# Altium PCB RPlan_LB2.PcbDoc (part 3 of 4) (continued)
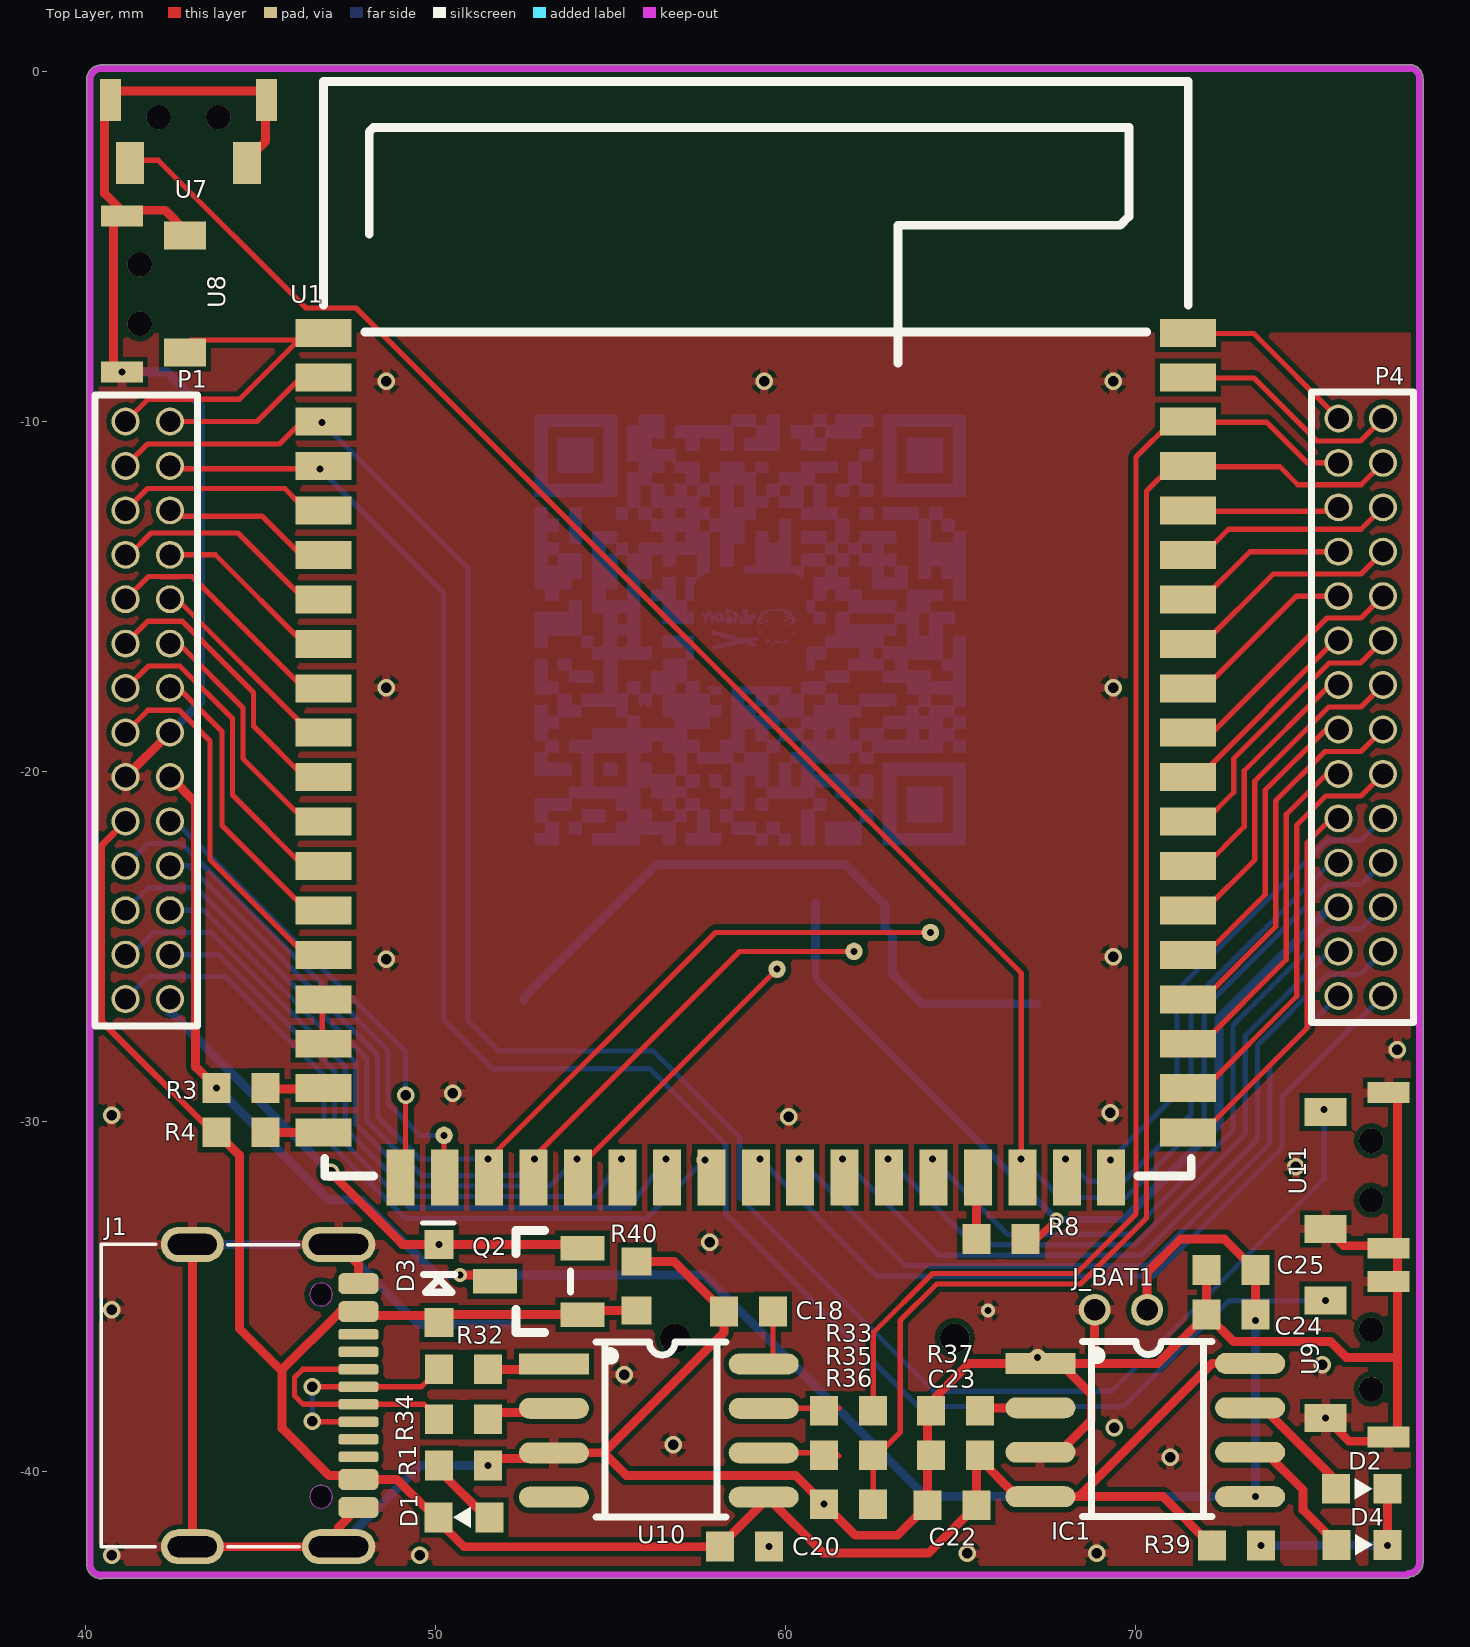
[diagram p0: Top Layer view]
## Nets (pads, with @x,y where several pads share a name; then routed paths per layer and width w, separated by ;. In a path a pad name is that pad's centre, name@x,y a point inside that pad or via, vN(x,y) a via of type N, cw(c..) or ccw(c..) an arc to the next point about the centre after c; other vN are vias at no path point) (continued)
58.681,-16.172 ; 58.3,-15.461 58.376,-15.461 ; 58.3,-15.436 58.376,-15.436 ; 58.3,-15.41 58.478,-15.41 ; 58.3,-15.385 58.478,-15.385 ; 58.3,-15.359 58.478,-15.359 ; 58.326,-15.766 58.453,-15.766 ; 58.326,-15.74 58.453,-15.74 ; 58.326,-15.715 58.453,-15.715 ; 58.326,-15.613 58.453,-15.613 ; 58.326,-15.588 58.453,-15.588 ; 58.326,-15.563 58.453,-15.563 ; 58.326,-15.537 58.402,-15.537 ; 58.326,-15.512 58.402,-15.512 ; 58.326,-15.486 58.402,-15.486 ; 58.376,-15.791 58.453,-15.791 ; 58.402,-16.299 59.088,-16.299 ; 58.402,-16.274 59.088,-16.274 ; 58.402,-16.223 59.215,-16.223 ; 58.402,-16.198 59.215,-16.198 ; 58.478,-21.786 60.154,-21.786 ; 58.478,-21.76 60.154,-21.76 ; 58.478,-21.735 59.164,-21.735 ; 58.478,-21.709 59.164,-21.709 ; 58.478,-21.684 59.164,-21.684 ; 58.478,-21.659 59.164,-21.659 ; 58.478,-21.633 59.164,-21.633 ; 58.478,-21.608 59.164,-21.608 ; 58.478,-21.582 59.164,-21.582 ; 58.478,-21.557 59.164,-21.557 ; 58.478,-21.532 59.164,-21.532 ; 58.478,-21.506 59.164,-21.506 ; 58.478,-21.481 59.164,-21.481 ; 58.478,-21.455 59.164,-21.455 ; 58.478,-21.049 58.834,-21.049 ; 58.478,-21.024 58.834,-21.024 ; 58.478,-20.998 58.834,-20.998 ; 58.478,-20.973 58.834,-20.973 ; 58.478,-20.947 58.834,-20.947 ; 58.478,-20.922 58.834,-20.922 ; 58.478,-20.897 58.834,-20.897 ; 58.478,-20.871 58.834,-20.871 ; 58.478,-20.846 58.834,-20.846 ; 58.478,-20.82 58.834,-20.82 ; 58.478,-20.795 58.834,-20.795 ; 58.478,-20.77 58.834,-20.77 ; 58.478,-20.414 58.834,-20.414 ; 58.478,-20.389 58.834,-20.389 ; 58.478,-20.363 58.834,-20.363 ; 58.478,-20.338 58.834,-20.338 ; 58.478,-20.312 58.834,-20.312 ; 58.478,-20.287 58.834,-20.287 ; 58.478,-20.262 58.834,-20.262 ; 58.478,-20.236 58.834,-20.236 ; 58.478,-20.211 58.834,-20.211 ; 58.478,-20.185 58.834,-20.185 ; 58.478,-20.16 58.834,-20.16 ; 58.478,-20.135 58.834,-20.135 ; 58.478,-20.109 59.519,-20.109 ; 58.478,-20.084 59.519,-20.084 ; 58.478,-20.058 59.519,-20.058 ; 58.478,-20.033 59.519,-20.033 ; 58.478,-20.008 59.519,-20.008 ; 58.478,-19.982 59.519,-19.982 ; 58.478,-19.957 59.519,-19.957 ; 58.478,-19.931 59.519,-19.931 ; 58.478,-19.906 59.519,-19.906 ; 58.478,-19.881 59.519,-19.881 ; 58.478,-19.855 59.519,-19.855 ; 58.478,-19.83 59.519,-19.83 ; 58.478,-19.804 59.519,-19.804 ; 58.478,-19.779 59.519,-19.779 ; 58.478,-19.068 58.834,-19.068 ; 58.478,-19.042 58.834,-19.042 ; 58.478,-19.017 58.834,-19.017 ; 58.478,-18.992 58.834,-18.992 ; 58.478,-18.966 58.834,-18.966 ; 58.478,-18.941 58.834,-18.941 ; 58.478,-18.915 58.834,-18.915 ; 58.478,-18.89 58.834,-18.89 ; 58.478,-18.865 58.834,-18.865 ; 58.478,-18.839 58.834,-18.839 ; 58.478,-18.814 58.834,-18.814 ; 58.478,-18.788 58.834,-18.788 ; 58.478,-18.763 61.831,-18.763 ; 58.478,-18.738 59.85,-18.738 ; 58.478,-18.712 59.85,-18.712 ; 58.478,-18.687 59.85,-18.687 ; 58.478,-18.661 59.85,-18.661 ; 58.478,-18.636 59.85,-18.636 ; 58.478,-18.611 59.85,-18.611 ; 58.478,-18.585 59.85,-18.585 ; 58.478,-18.56 59.85,-18.56 ; 58.478,-18.534 59.85,-18.534 ; 58.478,-18.509 59.85,-18.509 ; 58.478,-18.484 59.85,-18.484 ; 58.478,-18.458 59.85,-18.458 ; 58.478,-18.433 62.186,-18.433 ; 58.478,-18.407 62.186,-18.407 ; 58.478,-18.382 59.164,-18.382 ; 58.478,-18.357 59.164,-18.357 ; 58.478,-18.331 59.164,-18.331 ; 58.478,-18.306 59.164,-18.306 ; 58.478,-18.28 59.164,-18.28 ; 58.478,-18.255 59.164,-18.255 ; 58.478,-18.23 59.164,-18.23 ; 58.478,-18.204 59.164,-18.204 ; 58.478,-18.179 59.164,-18.179 ; 58.478,-18.153 59.164,-18.153 ; 58.478,-18.128 60.51,-18.128 ; 58.478,-18.103 60.51,-18.103 ; 58.478,-18.077 58.834,-18.077 ; 58.478,-18.052 58.834,-18.052 ; 58.478,-18.026 58.834,-18.026 ; 58.478,-18.001 58.834,-18.001 ; 58.478,-17.976 58.834,-17.976 ; 58.478,-17.95 58.834,-17.95 ; 58.478,-17.925 58.834,-17.925 ; 58.478,-17.899 58.834,-17.899 ; 58.478,-17.874 58.834,-17.874 ; 58.478,-17.849 58.834,-17.849 ; 58.478,-17.823 58.834,-17.823 ; 58.478,-17.798 58.834,-17.798 ; 58.478,-17.772 61.501,-17.772 ; 58.478,-17.747 60.154,-17.747 ; 58.478,-17.722 60.154,-17.722 ; 58.478,-17.696 60.154,-17.696 ; 58.478,-17.671 60.154,-17.671 ; 58.478,-17.645 60.154,-17.645 ; 58.478,-17.62 60.205,-17.62 ; 58.478,-17.595 60.154,-17.595 ; 58.478,-17.569 60.154,-17.569 ; 58.478,-15.461 58.605,-15.461 ; 58.478,-15.436 58.605,-15.436 ; 58.478,-10.076 59.164,-10.076 ; 58.478,-10.051 59.164,-10.051 ; 58.478,-10.025 59.164,-10.025 ; 58.478,-10 59.164,-10 ; 58.478,-9.975 59.164,-9.975 ; 58.478,-9.949 59.164,-9.949 ; 58.478,-9.924 59.164,-9.924 ; 58.478,-9.898 59.164,-9.898 ; 58.478,-9.873 59.164,-9.873 ; 58.478,-9.848 59.164,-9.848 ; 58.478,-9.822 59.164,-9.822 ; 58.478,-9.797 59.164,-9.797 ; 58.529,-16.248 59.164,-16.248 ; 58.529,-15.766 58.605,-15.766 ; 58.529,-15.74 58.605,-15.74 ; 58.529,-15.715 58.605,-15.715 ; 58.529,-15.537 58.681,-15.537 ; 58.529,-15.512 58.681,-15.512 ; 58.529,-15.486 58.63,-15.486 ; 58.554,-15.613 58.63,-15.613 ; 58.554,-15.588 58.63,-15.588 ; 58.554,-15.563 58.681,-15.563 ; 58.707,-15.766 59.062,-15.766 ; 58.707,-15.74 59.062,-15.74 ; 58.707,-15.715 59.062,-15.715 ; 58.707,-15.69 58.935,-15.69 ; 58.707,-15.664 58.935,-15.664 ; 58.707,-15.639 58.834,-15.639 ; 58.707,-15.613 58.783,-15.613 ; 58.707,-15.588 58.783,-15.588 ; 58.707,-15.563 59.138,-15.563 ; 58.757,-15.41 58.935,-15.41 ; 58.783,-15.537 59.138,-15.537 ; 58.783,-15.512 59.138,-15.512 ; 58.783,-15.461 58.935,-15.461 ; 58.783,-15.436 58.935,-15.436 ; 58.783,-15.385 58.935,-15.385 ; 58.783,-15.359 58.935,-15.359 ; 58.834,-19.728 59.519,-19.728 ; 58.834,-19.703 59.519,-19.703 ; 58.834,-19.677 59.519,-19.677 ; 58.834,-19.652 59.519,-19.652 ; 58.834,-19.627 59.519,-19.627 ; 58.834,-19.601 59.519,-19.601 ; 58.834,-19.576 59.519,-19.576 ; 58.834,-19.55 59.519,-19.55 ; 58.834,-19.525 59.519,-19.525 ; 58.834,-19.5 59.519,-19.5 ; 58.834,-19.474 59.519,-19.474 ; 58.834,-14.318 60.51,-14.318 ; 58.834,-14.293 60.51,-14.293 ; 58.834,-14.267 60.51,-14.267 ; 58.834,-14.242 60.51,-14.242 ; 58.834,-14.216 60.51,-14.216 ; 58.834,-14.191 60.51,-14.191 ; 58.834,-14.166 60.51,-14.166 ; 58.834,-14.14 60.51,-14.14 ; 58.834,-14.115 61.831,-14.115 ; 58.834,-12.413 59.519,-12.413 ; 58.834,-12.388 59.519,-12.388 ; 58.834,-12.362 59.519,-12.362 ; 58.834,-12.337 59.519,-12.337 ; 58.834,-12.311 59.519,-12.311 ; 58.834,-12.286 59.519,-12.286 ; 58.834,-12.261 59.519,-12.261 ; 58.834,-12.235 59.519,-12.235 ; 58.834,-12.21 59.519,-12.21 ; 58.834,-12.184 59.519,-12.184 ; 58.834,-12.159 59.519,-12.159 ; 58.834,-12.134 60.51,-12.134 ; 58.834,-12.108 59.164,-12.108 ; 58.834,-12.083 59.164,-12.083 ; 58.834,-12.057 59.164,-12.057 ; 58.834,-12.032 59.164,-12.032 ; 58.834,-12.007 59.164,-12.007 ; 58.834,-11.981 59.164,-11.981 ; 58.834,-11.956 59.164,-11.956 ; 58.834,-11.93 59.164,-11.93 ; 58.834,-11.905 59.164,-11.905 ; 58.834,-11.88 59.164,-11.88 ; 58.834,-11.854 59.164,-11.854 ; 58.834,-11.829 59.164,-11.829 ; 58.834,-10.813 59.85,-10.813 ; 58.834,-10.787 59.85,-10.787 ; 58.834,-10.762 59.85,-10.762 ; 58.834,-10.737 59.85,-10.737 ; 58.834,-10.711 59.85,-10.711 ; 58.834,-10.686 59.85,-10.686 ; 58.834,-10.66 59.85,-10.66 ; 58.834,-10.635 59.85,-10.635 ; 58.834,-10.61 59.85,-10.61 ; 58.834,-10.584 59.85,-10.584 ; 58.834,-10.559 59.85,-10.559 ; 58.834,-10.533 59.85,-10.533 ; 58.834,-10.508 59.85,-10.508 ; 58.834,-10.483 59.85,-10.483 ; 58.834,-10.457 59.85,-10.457 ; 58.859,-15.639 58.935,-15.639 ; 58.859,-15.613 59.138,-15.613 ; 58.859,-15.588 59.138,-15.588 ; 58.859,-15.486 58.935,-15.486 ; 58.935,-16.375 59.164,-16.375 ; 58.935,-16.35 59.164,-16.35 ; 58.986,-16.172 59.215,-16.172 ; 58.986,-15.69 59.062,-15.69 ; 58.986,-15.664 59.062,-15.664 ; 58.986,-15.639 59.062,-15.639 ; 59.062,-16.401 59.164,-16.401 ; 59.062,-15.486 59.138,-15.486 ; 59.164,-22.09 59.519,-22.09 ; 59.164,-22.065 59.519,-22.065 ; 59.164,-22.04 59.519,-22.04 ; 59.164,-22.014 59.519,-22.014 ; 59.164,-21.989 59.519,-21.989 ; 59.164,-21.963 59.519,-21.963 ; 59.164,-21.938 59.519,-21.938 ; 59.164,-21.913 59.519,-21.913 ; 59.164,-21.887 59.519,-21.887 ; 59.164,-21.862 59.519,-21.862 ; 59.164,-21.836 59.519,-21.836 ; 59.164,-21.811 59.519,-21.811 ; 59.164,-21.1 59.519,-21.1 ; 59.164,-21.074 59.519,-21.074 ; 59.164,-21.049 59.519,-21.049 ; 59.164,-21.024 59.519,-21.024 ; 59.164,-20.998 59.519,-20.998 ; 59.164,-20.973 59.519,-20.973 ; 59.164,-20.947 59.519,-20.947 ; 59.164,-20.922 59.519,-20.922 ; 59.164,-20.897 59.519,-20.897 ; 59.164,-20.871 59.519,-20.871 ; 59.164,-20.846 59.519,-20.846 ; 59.164,-20.82 59.519,-20.82 ; 59.164,-20.795 59.519,-20.795 ; 59.164,-20.77 59.519,-20.77 ; 59.164,-20.439 62.517,-20.439 ; 59.164,-20.414 59.519,-20.414 ; 59.164,-20.389 59.519,-20.389 ; 59.164,-20.363 59.519,-20.363 ; 59.164,-20.338 59.519,-20.338 ; 59.164,-20.312 59.519,-20.312 ; 59.164,-20.287 59.519,-20.287 ; 59.164,-20.262 59.519,-20.262 ; 59.164,-20.236 59.519,-20.236 ; 59.164,-20.211 59.519,-20.211 ; 59.164,-20.185 59.519,-20.185 ; 59.164,-20.16 59.519,-20.16 ; 59.164,-20.135 59.519,-20.135 ; 59.164,-19.119 65.158,-19.119 ; 59.164,-19.093 65.158,-19.093 ; 59.164,-19.068 59.519,-19.068 ; 59.164,-19.042 59.519,-19.042 ; 59.164,-19.017 59.519,-19.017 ; 59.164,-18.992 59.519,-18.992 ; 59.164,-18.966 59.519,-18.966 ; 59.164,-18.941 59.519,-18.941 ; 59.164,-18.915 59.519,-18.915 ; 59.164,-18.89 59.519,-18.89 ; 59.164,-18.865 59.519,-18.865 ; 59.164,-18.839 59.519,-18.839 ; 59.164,-18.814 59.519,-18.814 ; 59.164,-18.788 59.519,-18.788 ; 59.164,-18.077 59.519,-18.077 ; 59.164,-18.052 59.519,-18.052 ; 59.164,-18.026 59.519,-18.026 ; 59.164,-18.001 59.519,-18.001 ; 59.164,-17.976 59.519,-17.976 ; 59.164,-17.95 59.519,-17.95 ; 59.164,-17.925 59.519,-17.925 ; 59.164,-17.899 59.519,-17.899 ; 59.164,-17.874 59.519,-17.874 ; 59.164,-17.849 59.519,-17.849 ; 59.164,-17.823 59.519,-17.823 ; 59.164,-17.798 59.519,-17.798 ; 59.164,-14.089 60.154,-14.089 ; 59.164,-14.064 60.154,-14.064 ; 59.164,-14.039 60.154,-14.039 ; 59.164,-14.013 60.154,-14.013 ; 59.164,-13.988 60.154,-13.988 ; 59.164,-13.962 60.154,-13.962 ; 59.164,-13.937 60.154,-13.937 ; 59.164,-13.912 60.154,-13.912 ; 59.164,-13.886 60.154,-13.886 ; 59.164,-13.861 60.154,-13.861 ; 59.164,-13.835 60.154,-13.835 ; 59.164,-13.81 60.154,-13.81 ; 59.164,-13.785 60.154,-13.785 ; 59.164,-13.759 60.154,-13.759 ; 59.164,-13.734 60.154,-13.734 ; 59.164,-13.708 60.154,-13.708 ; 59.164,-13.683 60.154,-13.683 ; 59.164,-13.658 60.154,-13.658 ; 59.164,-13.632 60.154,-13.632 ; 59.164,-13.607 60.154,-13.607 ; 59.164,-13.581 60.154,-13.581 ; 59.164,-13.556 60.154,-13.556 ; 59.164,-13.531 60.154,-13.531 ; 59.164,-13.505 60.154,-13.505 ; 59.164,-13.48 60.154,-13.48 ; 59.164,-13.454 60.154,-13.454 ; 59.164,-13.429 59.519,-13.429 ; 59.164,-13.404 59.519,-13.404 ; 59.164,-13.378 59.519,-13.378 ; 59.164,-13.353 59.519,-13.353 ; 59.164,-13.327 59.519,-13.327 ; 59.164,-13.302 59.519,-13.302 ; 59.164,-13.277 59.519,-13.277 ; 59.164,-13.251 59.519,-13.251 ; 59.164,-13.226 59.519,-13.226 ; 59.164,-13.2 59.519,-13.2 ; 59.164,-13.175 59.519,-13.175 ; 59.164,-13.15 59.519,-13.15 ; 59.164,-13.124 59.519,-13.124 ; 59.164,-11.422 59.519,-11.422 ; 59.164,-11.397 59.519,-11.397 ; 59.164,-11.372 59.519,-11.372 ; 59.164,-11.346 59.519,-11.346 ; 59.164,-11.321 59.519,-11.321 ; 59.164,-11.295 59.519,-11.295 ; 59.164,-11.27 59.519,-11.27 ; 59.164,-11.245 59.519,-11.245 ; 59.164,-11.219 59.519,-11.219 ; 59.164,-11.194 59.519,-11.194 ; 59.164,-11.168 59.519,-11.168 ; 59.164,-11.143 59.519,-11.143 ; 59.164,-10.432 59.85,-10.432 ; 59.164,-10.406 59.85,-10.406 ; 59.164,-10.381 59.85,-10.381 ; 59.164,-10.356 59.85,-10.356 ; 59.164,-10.33 59.85,-10.33 ; 59.164,-10.305 59.85,-10.305 ; 59.164,-10.279 59.85,-10.279 ; 59.164,-10.254 59.85,-10.254 ; 59.164,-10.229 59.85,-10.229 ; 59.164,-10.203 59.85,-10.203 ; 59.164,-10.178 59.85,-10.178 ; 59.164,-10.152 59.85,-10.152 ; 59.215,-15.842 59.24,-15.842 ; 59.215,-15.817 59.24,-15.817 ; 59.215,-15.791 59.24,-15.791 ; 59.215,-15.766 59.24,-15.766 ; 59.215,-15.74 59.24,-15.74 ; 59.215,-15.715 59.291,-15.715 ; 59.215,-15.69 59.291,-15.69 ; 59.215,-15.664 59.291,-15.664 ; 59.215,-15.639 59.291,-15.639 ; 59.24,-16.02 59.291,-16.02 ; 59.24,-15.994 59.291,-15.994 ; 59.24,-15.969 59.291,-15.969 ; 59.24,-15.613 59.316,-15.613 ; 59.24,-15.588 59.316,-15.588 ; 59.24,-15.563 59.316,-15.563 ; 59.291,-15.766 59.367,-15.766 ; 59.291,-15.74 59.367,-15.74 ; 59.291,-15.537 59.367,-15.537 ; 59.291,-15.512 59.367,-15.512 ; 59.316,-15.486 59.469,-15.486 ; 59.367,-15.69 59.392,-15.69 ; 59.367,-15.664 59.392,-15.664 ; 59.367,-15.639 59.443,-15.639 ; 59.367,-15.563 59.392,-15.563 ; 59.367,-15.461 59.519,-15.461 ; 59.367,-15.436 59.519,-15.436 ; 59.443,-15.791 59.596,-15.791 ; 59.443,-15.715 59.519,-15.715 ; 59.443,-15.69 59.519,-15.69 ; 59.443,-15.664 59.519,-15.664 ; 59.443,-15.41 59.672,-15.41 ; 59.469,-21.735 59.85,-21.735 ; 59.469,-21.709 59.85,-21.709 ; 59.469,-21.684 59.85,-21.684 ; 59.469,-21.659 59.85,-21.659 ; 59.469,-21.633 59.85,-21.633 ; 59.469,-21.608 59.85,-21.608 ; 59.469,-21.582 59.85,-21.582 ; 59.469,-21.557 59.85,-21.557 ; 59.469,-21.532 59.85,-21.532 ; 59.469,-21.506 59.85,-21.506 ; 59.469,-21.481 59.85,-21.481 ; 59.469,-21.455 59.85,-21.455 ; 59.469,-21.43 59.85,-21.43 ; 59.469,-20.744 60.84,-20.744 ; 59.469,-20.719 60.84,-20.719 ; 59.469,-20.693 60.84,-20.693 ; 59.469,-20.668 60.84,-20.668 ; 59.469,-20.643 60.84,-20.643 ; 59.469,-20.617 60.84,-20.617 ; 59.469,-20.592 60.84,-20.592 ; 59.469,-20.566 60.84,-20.566 ; 59.469,-20.541 60.84,-20.541 ; 59.469,-20.516 60.84,-20.516 ; 59.469,-20.49 60.84,-20.49 ; 59.469,-20.465 60.84,-20.465 ; 59.469,-19.423 59.85,-19.423 ; 59.469,-19.398 59.85,-19.398 ; 59.469,-19.373 59.85,-19.373 ; 59.469,-19.347 59.85,-19.347 ; 59.469,-19.322 59.85,-19.322 ; 59.469,-19.296 59.85,-19.296 ; 59.469,-19.271 59.85,-19.271 ; 59.469,-19.246 59.85,-19.246 ; 59.469,-19.22 59.85,-19.22 ; 59.469,-19.195 59.85,-19.195 ; 59.469,-19.169 59.85,-19.169 ; 59.469,-19.144 59.85,-19.144 ; 59.469,-18.382 60.51,-18.382 ; 59.469,-18.357 60.51,-18.357 ; 59.469,-18.331 60.51,-18.331 ; 59.469,-18.306 60.51,-18.306 ; 59.469,-18.28 60.51,-18.28 ; 59.469,-18.255 60.51,-18.255 ; 59.469,-18.23 60.51,-18.23 ; 59.469,-18.204 60.51,-18.204 ; 59.469,-18.179 60.51,-18.179 ; 59.469,-18.153 60.51,-18.153 ; 59.469,-16.299 59.545,-16.299 ; 59.469,-16.274 59.545,-16.274 ; 59.469,-16.248 59.621,-16.248 ; 59.469,-16.223 59.519,-16.223 ; 59.469,-16.198 59.519,-16.198 ; 59.469,-12.108 59.85,-12.108 ; 59.469,-12.083 59.85,-12.083 ; 59.469,-12.057 59.85,-12.057 ; 59.469,-12.032 59.85,-12.032 ; 59.469,-12.007 59.85,-12.007 ; 59.469,-11.981 59.85,-11.981 ; 59.469,-11.956 59.85,-11.956 ; 59.469,-11.93 59.85,-11.93 ; 59.469,-11.905 59.85,-11.905 ; 59.469,-11.88 59.85,-11.88 ; 59.469,-11.854 59.85,-11.854 ; 59.469,-11.829 59.85,-11.829 ; 59.469,-11.803 61.196,-11.803 ; 59.469,-11.778 61.196,-11.778 ; 59.469,-10.076 59.85,-10.076 ; 59.469,-10.051 59.85,-10.051 ; 59.469,-10.025 59.85,-10.025 ; 59.469,-10 59.85,-10 ; 59.469,-9.975 59.85,-9.975 ; 59.469,-9.949 59.85,-9.949 ; 59.469,-9.924 59.85,-9.924 ; 59.469,-9.898 59.85,-9.898 ; 59.469,-9.873 59.85,-9.873 ; 59.469,-9.848 59.85,-9.848 ; 59.469,-9.822 59.85,-9.822 ; 59.469,-9.797 59.85,-9.797 ; 59.519,-15.385 59.672,-15.385 ; 59.519,-15.359 59.672,-15.359 ; 59.596,-16.375 59.672,-16.375 ; 59.596,-16.35 59.672,-16.35 ; 59.672,-16.299 59.9,-16.299 ; 59.672,-16.274 59.9,-16.274 ; 59.697,-15.385 60.053,-15.385 ; 59.697,-15.359 60.053,-15.359 ; 59.824,-22.09 60.154,-22.09 ; 59.824,-22.065 60.154,-22.065 ; 59.824,-22.04 60.154,-22.04 ; 59.824,-22.014 60.154,-22.014 ; 59.824,-21.989 60.154,-21.989 ; 59.824,-21.963 60.154,-21.963 ; 59.824,-21.938 60.154,-21.938 ; 59.824,-21.913 60.154,-21.913 ; 59.824,-21.887 60.154,-21.887 ; 59.824,-21.862 60.154,-21.862 ; 59.824,-21.836 60.154,-21.836 ; 59.824,-21.811 60.154,-21.811 ; 59.824,-20.414 60.154,-20.414 ; 59.824,-20.389 60.154,-20.389 ; 59.824,-20.363 60.154,-20.363 ; 59.824,-20.338 60.154,-20.338 ; 59.824,-20.312 60.154,-20.312 ; 59.824,-20.287 60.154,-20.287 ; 59.824,-20.262 60.154,-20.262 ; 59.824,-20.236 60.154,-20.236 ; 59.824,-20.211 60.154,-20.211 ; 59.824,-20.185 60.154,-20.185 ; 59.824,-20.16 60.154,-20.16 ; 59.824,-20.135 60.154,-20.135 ; 59.824,-20.109 60.154,-20.109 ; 59.824,-20.084 60.154,-20.084 ; 59.824,-20.058 60.154,-20.058 ; 59.824,-20.033 60.154,-20.033 ; 59.824,-20.008 60.154,-20.008 ; 59.824,-19.982 60.154,-19.982 ; 59.824,-19.957 60.154,-19.957 ; 59.824,-19.931 60.154,-19.931 ; 59.824,-19.906 60.154,-19.906 ; 59.824,-19.881 60.154,-19.881 ; 59.824,-19.855 60.154,-19.855 ; 59.824,-19.83 60.154,-19.83 ; 59.824,-19.804 60.154,-19.804 ; 59.824,-19.779 60.154,-19.779 ; 59.824,-19.754 61.831,-19.754 ; 59.824,-19.068 60.51,-19.068 ; 59.824,-19.042 60.51,-19.042 ; 59.824,-19.017 60.51,-19.017 ; 59.824,-18.992 60.51,-18.992 ; 59.824,-18.966 60.51,-18.966 ; 59.824,-18.941 60.51,-18.941 ; 59.824,-18.915 60.51,-18.915 ; 59.824,-18.89 60.51,-18.89 ; 59.824,-18.865 60.51,-18.865 ; 59.824,-18.839 60.51,-18.839 ; 59.824,-18.814 60.51,-18.814 ; 59.824,-18.788 60.51,-18.788 ; 59.824,-18.077 60.51,-18.077 ; 59.824,-18.052 60.51,-18.052 ; 59.824,-18.026 60.51,-18.026 ; 59.824,-18.001 60.51,-18.001 ; 59.824,-17.976 60.51,-17.976 ; 59.824,-17.95 60.51,-17.95 ; 59.824,-17.925 60.51,-17.925 ; 59.824,-17.899 60.51,-17.899 ; 59.824,-17.874 60.51,-17.874 ; 59.824,-17.849 60.51,-17.849 ; 59.824,-17.823 60.51,-17.823 ; 59.824,-17.798 60.51,-17.798 ; 59.824,-13.429 60.154,-13.429 ; 59.824,-13.404 60.154,-13.404 ; 59.824,-13.378 60.154,-13.378 ; 59.824,-13.353 60.154,-13.353 ; 59.824,-13.327 60.154,-13.327 ; 59.824,-13.302 60.154,-13.302 ; 59.824,-13.277 60.154,-13.277 ; 59.824,-13.251 60.154,-13.251 ; 59.824,-13.226 60.154,-13.226 ; 59.824,-13.2 60.154,-13.2 ; 59.824,-13.175 60.154,-13.175 ; 59.824,-13.15 60.154,-13.15 ; 59.824,-13.124 60.154,-13.124 ; 59.824,-13.099 60.154,-13.099 ; 59.824,-13.073 60.154,-13.073 ; 59.824,-13.048 60.154,-13.048 ; 59.824,-13.023 60.154,-13.023 ; 59.824,-12.997 60.154,-12.997 ; 59.824,-12.972 60.154,-12.972 ; 59.824,-12.946 60.154,-12.946 ; 59.824,-12.921 60.154,-12.921 ; 59.824,-12.896 60.154,-12.896 ; 59.824,-12.87 60.154,-12.87 ; 59.824,-12.845 60.154,-12.845 ; 59.824,-12.819 60.154,-12.819 ; 59.824,-12.794 60.154,-12.794 ; 59.824,-12.769 60.154,-12.769 ; 59.824,-12.438 61.501,-12.438 ; 59.824,-12.413 60.51,-12.413 ; 59.824,-12.388 60.51,-12.388 ; 59.824,-12.362 60.51,-12.362 ; 59.824,-12.337 60.51,-12.337 ; 59.824,-12.311 60.51,-12.311 ; 59.824,-12.286 60.51,-12.286 ; 59.824,-12.261 60.51,-12.261 ; 59.824,-12.235 60.51,-12.235 ; 59.824,-12.21 60.51,-12.21 ; 59.824,-12.184 60.51,-12.184 ; 59.824,-12.159 60.51,-12.159 ; 59.824,-11.753 60.84,-11.753 ; 59.824,-11.727 60.84,-11.727 ; 59.824,-11.702 60.84,-11.702 ; 59.824,-11.676 60.84,-11.676 ; 59.824,-11.651 60.84,-11.651 ; 59.824,-11.626 60.84,-11.626 ; 59.824,-11.6 60.84,-11.6 ; 59.824,-11.575 60.84,-11.575 ; 59.824,-11.549 60.84,-11.549 ; 59.824,-11.524 60.84,-11.524 ; 59.824,-11.499 60.84,-11.499 ; 59.824,-11.473 60.84,-11.473 ; 59.824,-11.448 61.501,-11.448 ; 59.9,-16.375 59.926,-16.375 ; 59.9,-16.35 59.926,-16.35 ; 59.926,-15.791 60.078,-15.791 ; 59.926,-15.41 60.129,-15.41 ; 59.977,-16.325 60.002,-16.325 ; 59.977,-16.299 60.053,-16.299 ; 59.977,-16.274 60.053,-16.274 ; 59.977,-16.248 60.053,-16.248 ; 59.977,-15.69 60.053,-15.69 ; 59.977,-15.664 60.053,-15.664 ; 59.977,-15.486 60.002,-15.486 ; 59.977,-15.461 60.154,-15.461 ; 59.977,-15.436 60.154,-15.436 ; 60.002,-15.563 60.078,-15.563 ; 60.053,-15.613 60.129,-15.613 ; 60.053,-15.588 60.129,-15.588 ; 60.053,-15.486 60.205,-15.486 ; 60.078,-15.537 60.231,-15.537 ; 60.078,-15.512 60.231,-15.512 ; 60.129,-15.563 60.231,-15.563 ; 60.154,-19.728 61.831,-19.728 ; 60.154,-19.703 61.831,-19.703 ; 60.154,-19.677 61.831,-19.677 ; 60.154,-19.652 61.831,-19.652 ; 60.154,-19.627 61.831,-19.627 ; 60.154,-19.601 61.831,-19.601 ; 60.154,-19.576 61.831,-19.576 ; 60.154,-19.55 61.831,-19.55 ; 60.154,-19.525 61.831,-19.525 ; 60.154,-19.5 61.831,-19.5 ; 60.154,-19.474 61.831,-19.474 ; 60.154,-19.449 64.472,-19.449 ; 60.154,-15.766 60.231,-15.766 ; 60.154,-15.74 60.231,-15.74 ; 60.154,-15.715 60.307,-15.715 ; 60.154,-15.613 60.281,-15.613 ; 60.154,-15.588 60.281,-15.588 ; 60.154,-12.108 60.51,-12.108 ; 60.154,-12.083 60.51,-12.083 ; 60.154,-12.057 60.51,-12.057 ; 60.154,-12.032 60.51,-12.032 ; 60.154,-12.007 60.51,-12.007 ; 60.154,-11.981 60.51,-11.981 ; 60.154,-11.956 60.51,-11.956 ; 60.154,-11.93 60.51,-11.93 ; 60.154,-11.905 60.51,-11.905 ; 60.154,-11.88 60.51,-11.88 ; 60.154,-11.854 60.51,-11.854 ; 60.154,-11.829 60.51,-11.829 ; 60.154,-10.457 62.186,-10.457 ; 60.154,-10.432 60.84,-10.432 ; 60.154,-10.406 60.84,-10.406 ; 60.154,-10.381 60.84,-10.381 ; 60.154,-10.356 60.84,-10.356 ; 60.154,-10.33 60.84,-10.33 ; 60.154,-10.305 60.84,-10.305 ; 60.154,-10.279 60.84,-10.279 ; 60.154,-10.254 60.84,-10.254 ; 60.154,-10.229 60.84,-10.229 ; 60.154,-10.203 60.84,-10.203 ; 60.154,-10.178 60.84,-10.178 ; 60.154,-10.152 60.84,-10.152 ; 60.154,-10.127 62.517,-10.127 ; 60.154,-10.102 62.517,-10.102 ; 60.205,-15.69 60.307,-15.69 ; 60.205,-15.664 60.307,-15.664 ; 60.205,-15.639 60.281,-15.639 ; 60.231,-16.071 60.281,-16.071 ; 60.231,-16.045 60.281,-16.045 ; 60.231,-16.02 60.281,-16.02 ; 60.281,-15.994 60.307,-15.994 ; 60.281,-15.969 60.307,-15.969 ; 60.281,-15.944 60.307,-15.944 ; 60.281,-14.343 60.51,-14.343 ; 60.358,-14.394 60.51,-14.394 ; 60.358,-14.369 60.51,-14.369 ; 60.434,-14.42 60.51,-14.42 ; 60.459,-22.09 60.84,-22.09 ; 60.459,-22.065 60.84,-22.065 ; 60.459,-22.04 60.84,-22.04 ; 60.459,-22.014 60.84,-22.014 ; 60.459,-21.989 60.84,-21.989 ; 60.459,-21.963 60.84,-21.963 ; 60.459,-21.938 60.84,-21.938 ; 60.459,-21.913 60.84,-21.913 ; 60.459,-21.887 60.84,-21.887 ; 60.459,-21.862 60.84,-21.862 ; 60.459,-21.836 60.84,-21.836 ; 60.459,-21.811 60.84,-21.811 ; 60.459,-21.786 60.84,-21.786 ; 60.459,-21.76 60.84,-21.76 ; 60.459,-21.735 60.84,-21.735 ; 60.459,-21.709 60.84,-21.709 ; 60.459,-21.684 60.84,-21.684 ; 60.459,-21.659 60.84,-21.659 ; 60.459,-21.633 60.84,-21.633 ; 60.459,-21.608 60.84,-21.608 ; 60.459,-21.582 60.84,-21.582 ; 60.459,-21.557 60.84,-21.557 ; 60.459,-21.532 60.84,-21.532 ; 60.459,-21.506 60.84,-21.506 ; 60.459,-21.481 60.84,-21.481 ; 60.459,-21.455 60.84,-21.455 ; 60.459,-21.43 60.84,-21.43 ; 60.459,-21.405 60.84,-21.405 ; 60.459,-21.379 60.84,-21.379 ; 60.459,-21.354 60.84,-21.354 ; 60.459,-21.328 60.84,-21.328 ; 60.459,-21.303 60.84,-21.303 ; 60.459,-21.278 60.84,-21.278 ; 60.459,-21.252 60.84,-21.252 ; 60.459,-21.227 60.84,-21.227 ; 60.459,-21.201 60.84,-21.201 ; 60.459,-21.176 60.84,-21.176 ; 60.459,-21.151 60.84,-21.151 ; 60.459,-21.125 60.84,-21.125 ; 60.459,-21.1 61.145,-21.1 ; 60.459,-21.074 61.145,-21.074 ; 60.459,-20.414 61.831,-20.414 ; 60.459,-20.389 61.831,-20.389 ; 60.459,-20.363 61.831,-20.363 ; 60.459,-20.338 61.831,-20.338 ; 60.459,-20.312 61.831,-20.312 ; 60.459,-20.287 61.831,-20.287 ; 60.459,-20.262 61.831,-20.262 ; 60.459,-20.236 61.831,-20.236 ; 60.459,-20.211 61.831,-20.211 ; 60.459,-20.185 61.831,-20.185 ; 60.459,-20.16 61.831,-20.16 ; 60.459,-20.135 61.831,-20.135 ; 60.459,-20.109 61.831,-20.109 ; 60.459,-20.084 61.831,-20.084 ; 60.459,-20.058 60.84,-20.058 ; 60.459,-20.033 60.84,-20.033 ; 60.459,-20.008 60.84,-20.008 ; 60.459,-19.982 60.84,-19.982 ; 60.459,-19.957 60.84,-19.957 ; 60.459,-19.931 60.84,-19.931 ; 60.459,-19.906 60.84,-19.906 ; 60.459,-19.881 60.84,-19.881 ; 60.459,-19.855 60.84,-19.855 ; 60.459,-19.83 60.84,-19.83 ; 60.459,-19.804 60.84,-19.804 ; 60.459,-19.779 60.84,-19.779 ; 60.459,-19.423 62.186,-19.423 ; 60.459,-19.398 62.186,-19.398 ; 60.459,-19.373 62.186,-19.373 ; 60.459,-19.347 62.186,-19.347 ; 60.459,-19.322 62.186,-19.322 ; 60.459,-19.296 62.186,-19.296 ; 60.459,-19.271 62.186,-19.271 ; 60.459,-19.246 62.186,-19.246 ; 60.459,-19.22 62.186,-19.22 ; 60.459,-19.195 62.186,-19.195 ; 60.459,-19.169 62.186,-19.169 ; 60.459,-19.144 62.186,-19.144 ; 60.459,-18.738 61.831,-18.738 ; 60.459,-18.712 61.831,-18.712 ; 60.459,-18.687 61.831,-18.687 ; 60.459,-18.661 61.831,-18.661 ; 60.459,-18.636 61.831,-18.636 ; 60.459,-18.611 61.831,-18.611 ; 60.459,-18.585 61.831,-18.585 ; 60.459,-18.56 61.831,-18.56 ; 60.459,-18.534 61.831,-18.534 ; 60.459,-18.509 61.831,-18.509 ; 60.459,-18.484 61.831,-18.484 ; 60.459,-18.458 61.831,-18.458 ; 60.459,-17.747 61.145,-17.747 ; 60.459,-17.722 61.145,-17.722 ; 60.459,-17.696 61.196,-17.696 ; 60.459,-17.671 61.196,-17.671 ; 60.459,-17.645 61.196,-17.645 ; 60.459,-17.62 61.196,-17.62 ; 60.459,-17.595 61.145,-17.595 ; 60.459,-17.569 61.145,-17.569 ; 60.459,-17.544 61.145,-17.544 ; 60.459,-17.518 61.196,-17.518 ; 60.459,-17.493 61.196,-17.493 ; 60.459,-17.468 61.196,-17.468 ; 60.459,-14.47 60.51,-14.47 ; 60.459,-14.445 60.51,-14.445 ; 60.459,-14.089 61.196,-14.089 ; 60.459,-14.064 61.196,-14.064 ; 60.459,-14.039 61.145,-14.039 ; 60.459,-14.013 61.145,-14.013 ; 60.459,-13.988 61.145,-13.988 ; 60.459,-13.962 61.145,-13.962 ; 60.459,-13.937 61.145,-13.937 ; 60.459,-13.912 61.145,-13.912 ; 60.459,-13.886 61.145,-13.886 ; 60.459,-13.861 61.145,-13.861 ; 60.459,-13.835 61.145,-13.835 ; 60.459,-13.81 61.145,-13.81 ; 60.459,-13.429 61.196,-13.429 ; 60.459,-13.404 61.196,-13.404 ; 60.459,-13.378 61.196,-13.378 ; 60.459,-13.353 61.145,-13.353 ; 60.459,-13.327 61.196,-13.327 ; 60.459,-13.302 61.196,-13.302 ; 60.459,-13.277 61.196,-13.277 ; 60.459,-13.251 61.145,-13.251 ; 60.459,-13.226 61.145,-13.226 ; 60.459,-13.2 61.145,-13.2 ; 60.459,-13.175 61.196,-13.175 ; 60.459,-13.15 61.196,-13.15 ; 60.459,-13.124 61.196,-13.124 ; 60.459,-12.794 61.831,-12.794 ; 60.459,-12.769 61.831,-12.769 ; 60.459,-12.743 61.501,-12.743 ; 60.459,-12.718 61.501,-12.718 ; 60.459,-12.692 61.501,-12.692 ; 60.459,-12.667 61.501,-12.667 ; 60.459,-12.642 61.501,-12.642 ; 60.459,-12.616 61.501,-12.616 ; 60.459,-12.591 61.501,-12.591 ; 60.459,-12.565 61.501,-12.565 ; 60.459,-12.54 61.501,-12.54 ; 60.459,-12.515 61.501,-12.515 ; 60.459,-12.489 61.501,-12.489 ; 60.459,-12.464 61.501,-12.464 ; 60.459,-11.422 61.501,-11.422 ; 60.459,-11.397 61.501,-11.397 ; 60.459,-11.372 61.501,-11.372 ; 60.459,-11.346 61.501,-11.346 ; 60.459,-11.321 61.501,-11.321 ; 60.459,-11.295 61.501,-11.295 ; 60.459,-11.27 61.501,-11.27 ; 60.459,-11.245 61.501,-11.245 ; 60.459,-11.219 61.501,-11.219 ; 60.459,-11.194 61.501,-11.194 ; 60.459,-11.168 61.501,-11.168 ; 60.459,-11.143 61.501,-11.143 ; 60.459,-10.813 61.145,-10.813 ; 60.459,-10.787 61.145,-10.787 ; 60.459,-10.762 61.196,-10.762 ; 60.459,-10.737 61.145,-10.737 ; 60.459,-10.711 61.145,-10.711 ; 60.459,-10.686 61.196,-10.686 ; 60.459,-10.66 61.145,-10.66 ; 60.459,-10.635 61.145,-10.635 ; 60.459,-10.61 61.196,-10.61 ; 60.459,-10.584 61.196,-10.584 ; 60.459,-10.559 61.196,-10.559 ; 60.459,-10.533 61.196,-10.533 ; 60.459,-10.508 61.196,-10.508 ; 60.459,-10.483 61.196,-10.483 ; 60.51,-17.442 61.831,-17.442 ; 60.51,-17.417 61.831,-17.417 ; 60.51,-13.785 62.872,-13.785 ; 60.51,-13.759 62.872,-13.759 ; 60.51,-13.48 63.177,-13.48 ; 60.51,-13.454 63.177,-13.454 ; 60.612,-17.087 60.84,-17.087 ; 60.612,-17.061 60.84,-17.061 ; 60.612,-17.036 60.84,-17.036 ; 60.612,-17.01 60.84,-17.01 ; 60.612,-16.985 60.84,-16.985 ; 60.612,-16.96 60.84,-16.96 ; 60.612,-16.934 60.84,-16.934 ; 60.612,-16.909 60.84,-16.909 ; 60.612,-16.883 60.84,-16.883 ; 60.612,-16.858 60.84,-16.858 ; 60.612,-16.833 60.84,-16.833 ; 60.612,-16.807 60.84,-16.807 ; 60.612,-16.782 61.145,-16.782 ; 60.612,-16.756 61.196,-16.756 ; 60.612,-16.731 61.196,-16.731 ; 60.612,-16.706 61.145,-16.706 ; 60.612,-16.68 61.145,-16.68 ; 60.612,-16.655 61.145,-16.655 ; 60.612,-16.629 61.145,-16.629 ; 60.612,-16.604 61.145,-16.604 ; 60.612,-16.579 61.145,-16.579 ; 60.612,-16.553 61.145,-16.553 ; 60.612,-16.528 61.145,-16.528 ; 60.612,-16.502 61.145,-16.502 ; 60.612,-16.477 61.196,-16.477 ; 60.612,-16.452 64.498,-16.452 ; 60.612,-16.426 64.498,-16.426 ; 60.612,-15.461 61.145,-15.461 ; 60.612,-15.436 61.145,-15.436 ; 60.612,-15.41 60.84,-15.41 ; 60.612,-15.385 60.84,-15.385 ; 60.612,-15.359 60.84,-15.359 ; 60.612,-15.334 60.84,-15.334 ; 60.612,-15.309 60.84,-15.309 ; 60.612,-15.283 60.84,-15.283 ; 60.612,-15.258 60.84,-15.258 ; 60.612,-15.232 60.84,-15.232